# Altium PCB Test.PcbDoc (part 6 of 7)
Units mm, origin at the board's own origin, x right, y up, seen from the top; angles counter-clockwise.
Board outline 127 x 60.96 mm, 8 copper layers (TOP, LY2 - GND, LY3 - SIG, LY4 - GND, LY5 - SIG, LY6 - SIG, LY7 - GND, BOTTOM), stack 1.458 mm thick; 279 components, 237 nets, 1232 pads, 1515 vias.
Unrouted connection lines stored in the file: 100.
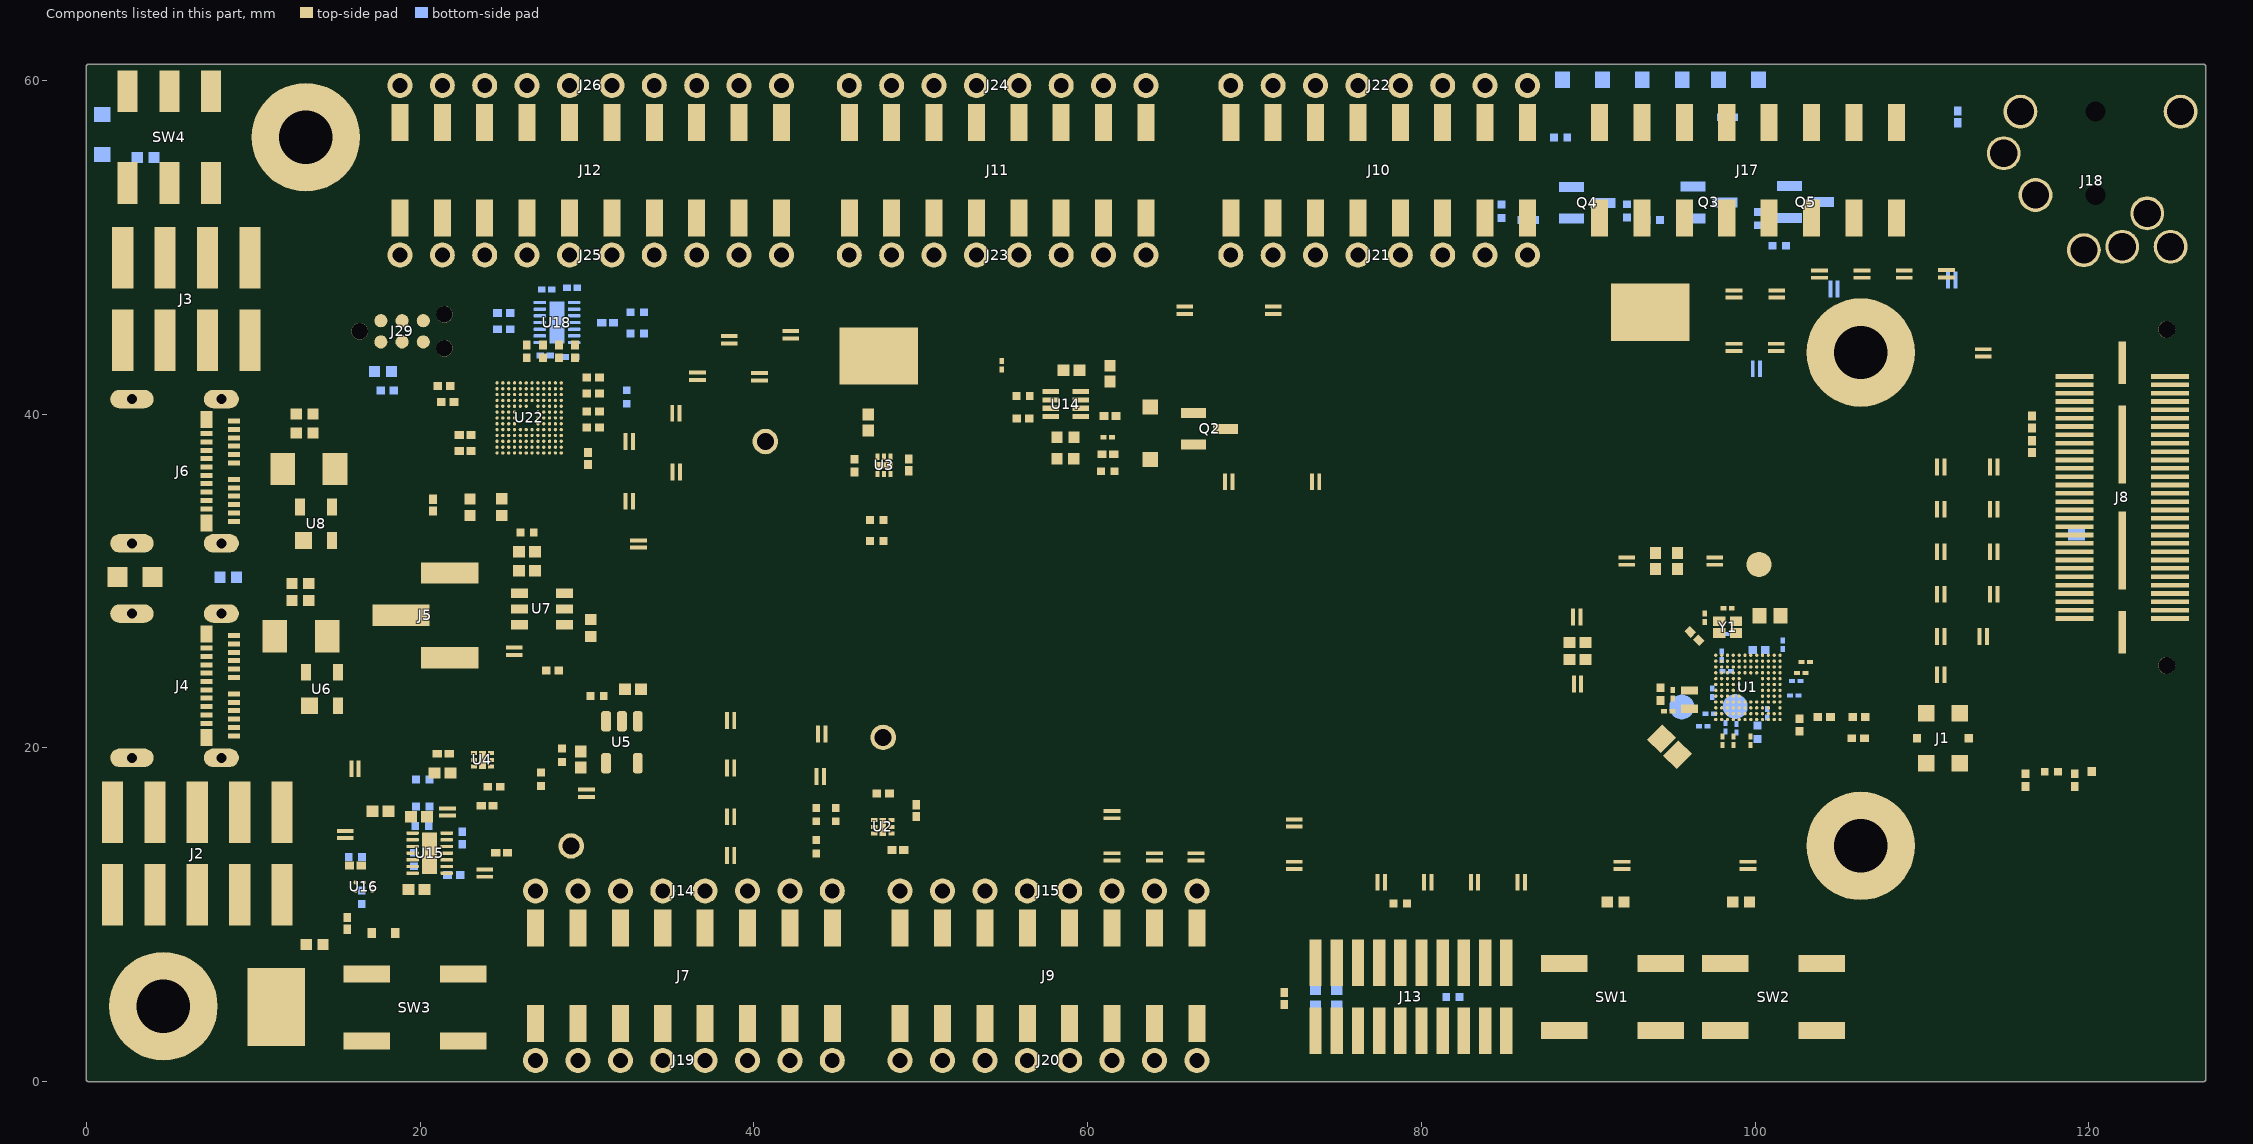
[diagram p12: the components of this part, seen from the top]

## Other copper
TOP:
  pour cut-out: 117.713,18.931 117.795,18.931 117.795,18.204 117.713,18.204
  pour cut-out: 104.095,22.156 104.185,22.156 104.185,21.532 104.095,21.532
  pour cut-out: 48.895,14.605 48.895,14.833 48.638,15.09 48.038,15.09 47.984,15.143 47.987,15.146 47.987,15.407 48.056,15.475 48.861,15.475 49.35,14.986 51.054,14.986 51.181,14.859 51.181,14.605 49.941,13.365 48.848,13.365 48.613,13.601 48.613,14.323
  pour cut-out: 361 vertices and 0 holes, not listed, extent 91.549,30.111 98.342,33.993
LY2 - GND:
  pour cut-out: 3752 vertices and 0 holes, not listed, extent 92.268,18.382 105.139,29.167
  pour cut-out: 99.775,26.924 99.761,26.994 99.722,27.053 99.663,27.092 99.593,27.106 99.524,27.092 99.504,27.079 99.465,27.053 99.425,26.994 99.412,26.924 99.425,26.854 99.465,26.795 99.504,26.769 99.524,26.756 99.593,26.742 99.663,26.756 99.722,26.795 99.761,26.854 99.775,26.924
LY3 - SIG:
  pour cut-out: 786 vertices and 0 holes, not listed, extent 92.867,32.809 110.727,56.198
  pour cut-out: 101.92,53.776 101.913,53.77 101.906,53.765 101.899,53.76 101.891,53.756 101.883,53.752 101.874,53.75 101.866,53.748 101.857,53.747 101.848,53.746 101.839,53.747 101.83,53.748 101.822,53.75 101.813,53.752 101.805,53.756 101.797,53.76 101.79,53.765 101.783,53.77 101.776,53.776 101.77,53.782 101.765,53.789 101.76,53.797 101.756,53.805 101.752,53.813 101.75,53.821 101.748,53.83 101.747,53.839 101.746,53.848 101.746,53.929 103.288,55.471 103.314,55.466 103.346,55.462 103.364,55.461 103.372,55.46 103.381,55.458 103.39,55.456 103.398,55.453 103.406,55.449 103.414,55.445 103.421,55.44 103.428,55.434 103.434,55.428 103.44,55.421 103.445,55.414 103.449,55.406 103.453,55.398 103.456,55.39 103.459,55.381 103.46,55.373 103.461,55.364 103.461,55.355 103.46,55.346 103.459,55.337 103.456,55.329 103.453,55.321 103.45,55.312 103.445,55.305 103.44,55.297 103.435,55.291 103.431,55.287 101.92,53.776
LY4 - GND:
  pour cut-out: 2889 vertices and 0 holes, not listed, extent 94.48,18.382 105.291,29.37
LY5 - SIG:
  region net GND: 15.504,34.262 15.464,34.359 15.367,34.4 15.303,34.373 15.27,34.359 15.23,34.262 15.27,34.165 15.303,34.151 15.367,34.125 15.464,34.165 15.504,34.262
  region net GND: 107.738,27.357 107.698,27.454 107.601,27.495 107.537,27.468 107.504,27.454 107.463,27.357 107.504,27.26 107.537,27.246 107.601,27.22 107.698,27.26 107.738,27.357
  region net GND: 105.988,24.135 105.948,24.232 105.851,24.273 105.787,24.246 105.753,24.232 105.713,24.135 105.753,24.038 105.787,24.024 105.851,23.998 105.948,24.038 105.988,24.135
  region net GND: 16.519,24.381 16.479,24.479 16.382,24.519 16.318,24.492 16.285,24.479 16.244,24.381 16.285,24.284 16.318,24.271 16.382,24.244 16.479,24.284 16.519,24.381
  region net GND: 15.583,32.577 15.543,32.674 15.446,32.714 15.382,32.688 15.349,32.674 15.308,32.577 15.349,32.48 15.382,32.466 15.446,32.439 15.543,32.48 15.583,32.577
  region net GND: 16.442,22.78 16.401,22.877 16.304,22.917 16.24,22.891 16.207,22.877 16.167,22.78 16.207,22.683 16.24,22.669 16.304,22.643 16.401,22.683 16.442,22.78
  region net GND: 107.803,30.283 107.763,30.38 107.666,30.421 107.601,30.394 107.568,30.38 107.528,30.283 107.568,30.186 107.601,30.172 107.666,30.146 107.763,30.186 107.803,30.283
  region net GND: 116.066,37.207 116.025,37.304 115.928,37.345 115.864,37.318 115.831,37.304 115.791,37.207 115.831,37.11 115.864,37.096 115.928,37.07 116.025,37.11 116.066,37.207
  region net GND: 106.778,25.571 106.738,25.669 106.641,25.709 106.577,25.682 106.543,25.669 106.503,25.571 106.543,25.474 106.577,25.461 106.641,25.434 106.738,25.474 106.778,25.571
  region net GND: 116.058,38.95 116.018,39.047 115.921,39.087 115.856,39.061 115.823,39.047 115.783,38.95 115.823,38.852 115.856,38.839 115.921,38.812 116.018,38.852 116.058,38.95
BOTTOM:
  pour cut-out: 87.372,49.53 87.338,49.792 87.237,50.036 87.076,50.246 86.866,50.407 86.622,50.508 86.36,50.542 86.098,50.508 85.854,50.407 85.644,50.246 85.483,50.036 85.382,49.792 85.348,49.53 85.382,49.268 85.483,49.024 85.644,48.814 85.854,48.653 86.098,48.552 86.36,48.518 86.622,48.552 86.866,48.653 87.076,48.814 87.237,49.024 87.338,49.268 87.372,49.53
  pour cut-out: 84.832,49.53 84.798,49.792 84.697,50.036 84.536,50.246 84.326,50.407 84.082,50.508 83.82,50.542 83.558,50.508 83.314,50.407 83.104,50.246 82.943,50.036 82.842,49.792 82.808,49.53 82.842,49.268 82.943,49.024 83.104,48.814 83.314,48.653 83.558,48.552 83.82,48.518 84.082,48.552 84.326,48.653 84.536,48.814 84.697,49.024 84.798,49.268 84.832,49.53

## Silkscreen, mask and mechanical layers (free items; w line width, h text height)
Top Overlay:
  drawing of 94 lines, arcs and shapes, not listed
Bottom Overlay:
  circle w0.152: c66.548,9.251 r0.74
  circle w0.152: c64.008,9.251 r0.74
  circle w0.152: c61.468,9.251 r0.74
  circle w0.152: c58.928,9.251 r0.74
  circle w0.152: c56.388,9.251 r0.74
  circle w0.152: c53.848,9.251 r0.74
  circle w0.152: c51.308,9.251 r0.74
  circle w0.152: c48.768,9.251 r0.74
  circle w0.152: c63.539,57.449 r0.74
  circle w0.152: c45.759,57.449 r0.74
  circle w0.152: c48.299,57.449 r0.74
  circle w0.152: c26.404,57.373 r0.74
  circle w0.152: c41.644,57.373 r0.74
  circle w0.152: c21.349,57.297 r0.74
  circle w0.152: c71.165,57.511 r0.74
  circle w0.152: c48.768,3.429 r0.74
  circle w0.152: c51.308,3.429 r0.74
  circle w0.152: c53.848,3.429 r0.74
  circle w0.152: c56.388,3.429 r0.74
  circle w0.152: c58.928,3.429 r0.74
  circle w0.152: c61.468,3.429 r0.74
  circle w0.152: c64.008,3.429 r0.74
  circle w0.152: c66.548,3.429 r0.74
  lines w0.102: 26.924,2.286 26.924,3.048 ; 26.924,9.906 26.924,10.414 ; 29.464,2.286 29.464,3.175 ; 29.464,9.398 29.464,10.414 ; 34.544,2.286 34.544,3.302 ; 34.544,9.398 34.544,10.414 ; 37.084,2.286 37.084,3.683 ; 37.084,9.017 37.084,10.414 ; 39.624,2.286 39.624,4.699 ; 39.624,8.001 39.624,10.414 ; 42.164,2.286 42.164,4.699 ; 44.704,2.286 44.704,2.921
  lines w0.127: 96.393,23.216 96.925,22.51 ; 96.393,25.146 97.409,24.638 ; 96.461,23.962 96.809,23.644 ; 96.616,25.971 97.282,25.781
  lines w0.152: 93.992,21.637 94.844,21.793 ; 99.593,23.165 102.905,25.422 ; 28.204,57.373 cw(c28.944,57.373) 28.944,58.113 cw(c28.944,57.373) 29.684,57.373 cw(c28.944,57.373) 28.944,56.632 cw(c28.944,57.373) 28.204,57.373 ; 30.744,57.373 cw(c31.484,57.373) 31.484,58.113 cw(c31.484,57.373) 32.224,57.373 cw(c31.484,57.373) 31.484,56.632 cw(c31.484,57.373) 30.744,57.373 ; 33.284,57.373 cw(c34.024,57.373) 34.024,58.113 cw(c34.024,57.373) 34.764,57.373 cw(c34.024,57.373) 34.024,56.632 cw(c34.024,57.373) 33.284,57.373 ; 35.824,57.373 cw(c36.564,57.373) 36.564,58.113 cw(c36.564,57.373) 37.304,57.373 cw(c36.564,57.373) 36.564,56.632 cw(c36.564,57.373) 35.824,57.373 ; 38.364,57.373 cw(c39.104,57.373) 39.104,58.113 cw(c39.104,57.373) 39.844,57.373 cw(c39.104,57.373) 39.104,56.632 cw(c39.104,57.373) 38.364,57.373 ; 41.468,9.251 ccw(c42.209,9.251) 42.209,8.511 ccw(c42.209,9.251) 42.949,9.251 ccw(c42.209,9.251) 42.209,9.992 ccw(c42.209,9.251) 41.468,9.251 ; 44.008,9.251 ccw(c44.749,9.251) 44.749,8.511 ccw(c44.749,9.251) 45.489,9.251 ccw(c44.749,9.251) 44.749,9.992 ccw(c44.749,9.251) 44.008,9.251 ; 50.098,57.449 ccw(c50.839,57.449) 50.839,56.709 ccw(c50.839,57.449) 51.579,57.449 ccw(c50.839,57.449) 50.839,58.189 ccw(c50.839,57.449) 50.098,57.449 ; 55.178,57.449 ccw(c55.919,57.449) 55.919,56.709 ccw(c55.919,57.449) 56.659,57.449 ccw(c55.919,57.449) 55.919,58.189 ccw(c55.919,57.449) 55.178,57.449 ; 57.718,57.449 ccw(c58.459,57.449) 58.459,56.709 ccw(c58.459,57.449) 59.199,57.449 ccw(c58.459,57.449) 58.459,58.189 ccw(c58.459,57.449) 57.718,57.449 ; 60.258,57.449 ccw(c60.999,57.449) 60.999,56.709 ccw(c60.999,57.449) 61.739,57.449 ccw(c60.999,57.449) 60.999,58.189 ccw(c60.999,57.449) 60.258,57.449 ; 67.884,57.511 ccw(c68.625,57.511) 68.625,56.771 ccw(c68.625,57.511) 69.365,57.511 ccw(c68.625,57.511) 68.625,58.252 ccw(c68.625,57.511) 67.884,57.511 ; 72.964,57.511 ccw(c73.705,57.511) 73.705,56.771 ccw(c73.705,57.511) 74.445,57.511 ccw(c73.705,57.511) 73.705,58.252 ccw(c73.705,57.511) 72.964,57.511 ; 75.504,57.511 ccw(c76.245,57.511) 76.245,56.771 ccw(c76.245,57.511) 76.985,57.511 ccw(c76.245,57.511) 76.245,58.252 ccw(c76.245,57.511) 75.504,57.511 ; 78.044,57.511 cw(c78.785,57.511) 78.785,58.252 cw(c78.785,57.511) 79.525,57.511 cw(c78.785,57.511) 78.785,56.771 cw(c78.785,57.511) 78.044,57.511 ; 80.584,57.511 ccw(c81.325,57.511) 81.325,56.771 ccw(c81.325,57.511) 82.065,57.511 ccw(c81.325,57.511) 81.325,58.252 ccw(c81.325,57.511) 80.584,57.511 ; 83.124,57.511 ccw(c83.865,57.511) 83.865,56.771 ccw(c83.865,57.511) 84.605,57.511 ccw(c83.865,57.511) 83.865,58.252 ccw(c83.865,57.511) 83.124,57.511 ; 85.664,57.511 cw(c86.405,57.511) 86.405,58.252 cw(c86.405,57.511) 87.145,57.511 cw(c86.405,57.511) 86.405,56.771 cw(c86.405,57.511) 85.664,57.511
Top Assembly:
  lines w0.025: -42.469,-12.598 -39.319,-12.598 ; -42.469,28.854 -39.319,28.854 ; -42.469,70.307 -39.319,70.307 ; 0.508,-57.175 0.508,-54.026 ; 0.508,111.735 0.508,114.91 ; 33.655,-57.175 33.655,-54.026 ; 33.655,111.735 33.655,114.91 ; 67.615,-57.175 67.615,-54.026 ; 67.615,111.735 67.615,114.91 ; 100.762,-57.175 100.762,-54.026 ; 100.762,111.735 100.762,114.91 ; 134.696,-57.175 134.696,-54.026 ; 134.696,111.531 134.696,114.706 ; 175.184,-12.598 178.359,-12.598 ; 175.184,28.854 178.359,28.854 ; 175.184,70.307 178.359,70.307 ; -39.192,-53.924 175.184,-53.924 175.184,111.735 -39.192,111.735 -39.192,-53.924
  lines w0.076: 108.407,-54.026 108.407,-34.29
  lines w0.102: 19.524,14.454 20.308,15.239
  lines w0.152: 61.036,-52.045 80.772,-52.045 ; 61.036,-50.089 80.772,-50.089 ; 61.036,-48.108 80.772,-48.108 ; 61.036,-46.126 80.772,-46.126 ; 61.036,-44.171 80.772,-44.171 ; 61.036,-42.189 80.772,-42.189 ; 61.036,-40.208 80.772,-40.208 ; 61.036,-38.252 80.772,-38.252 ; 61.036,-36.271 80.772,-36.271 ; 61.036,-34.29 80.772,-34.29 ; 61.138,-34.29 61.138,-54.026 62.713,-54.026 ; 70.206,-52.045 70.206,-34.29 ; 80.772,-54.026 80.772,-34.29 ; 80.772,-37.059 108.407,-37.059 129.718,-37.059 ; 108.407,-51.257 122.631,-51.257 129.718,-51.257 ; 108.407,-48.514 122.631,-48.514 129.718,-48.514 ; 108.407,-45.339 122.631,-45.339 129.718,-45.339 ; 108.407,-42.596 122.631,-42.596 129.718,-42.596 ; 108.407,-39.827 129.718,-39.827 ; 126.238,107.798 175.184,107.798 ; 126.238,111.735 126.238,109.779 ; 129.413,105.816 129.413,109.779 ; 129.718,-54.026 129.718,-34.29 ; 129.794,-52.045 175.184,-52.045 ; 129.794,-48.514 175.184,-48.514 ; 129.794,-39.827 175.184,-39.827 ; 132.969,-52.045 132.969,-48.514 ; 137.693,-54.026 137.693,-52.045 ; 160.985,-54.026 160.985,-52.045 ; 160.985,105.816 160.985,109.779 ; 167.31,105.816 167.31,109.779 ; 171.247,-52.045 171.247,-48.514 ; 175.184,-34.29 80.772,-34.29 ; 175.184,105.816 126.238,105.816 126.238,109.779 ; 175.184,109.779 126.238,109.779
  lines w0.406: -43.256,-50.876 -43.256,-57.988 -36.144,-57.988 ; -43.256,108.585 -43.256,115.697 -36.144,115.697 ; 171.933,-58.293 179.045,-58.293 179.045,-51.181 ; 172.034,115.697 179.146,115.697 179.146,108.585
  lines w0.432: -39.192,-53.924 175.184,-53.924 175.184,111.735 -39.192,111.735 -39.192,-53.924
Bottom Assembly:
  lines w0.025: -42.367,-12.598 -39.192,-12.598 ; -42.367,28.854 -39.192,28.854 ; -42.367,70.307 -39.192,70.307 ; 1.295,-57.175 1.295,-54.026 ; 1.295,111.531 1.295,114.706 ; 35.23,-57.175 35.23,-54.026 ; 35.23,111.735 35.23,114.91 ; 68.377,-57.175 68.377,-54.026 ; 68.377,111.735 68.377,114.91 ; 102.337,-57.175 102.337,-54.026 ; 102.337,111.735 102.337,114.91 ; 135.484,-57.175 135.484,-54.026 ; 135.484,111.735 135.484,114.91 ; 175.311,-12.598 178.46,-12.598 ; 175.311,28.854 178.46,28.854 ; 175.311,70.307 178.46,70.307 ; -39.192,-53.924 -39.192,111.735 175.184,111.735 175.184,-53.924 -39.192,-53.924
  lines w0.102: 28.676,47.035 28.724,47.035 29.247,46.512 ; 96.162,21.775 96.713,22.001
  lines w0.152: -39.192,-52.045 6.198,-52.045 ; -39.192,-48.514 6.198,-48.514 ; -39.192,-39.827 6.198,-39.827 ; -39.192,-34.29 6.274,-34.29 6.274,-54.026 ; -35.255,-52.045 -35.255,-48.514 ; -24.994,-54.026 -24.994,-52.045 ; -1.702,-54.026 -1.702,-52.045 ; 3.023,-52.045 3.023,-48.514 ; 73.279,-54.026 74.854,-54.026
  lines w0.406: -43.155,108.585 -43.155,115.697 -36.043,115.697 ; -43.053,-51.181 -43.053,-58.293 -35.941,-58.293 ; 172.136,-57.988 179.248,-57.988 179.248,-50.876 ; 172.136,115.697 179.248,115.697 179.248,108.585
  lines w0.432: -39.192,-53.924 -39.192,111.735 175.184,111.735 175.184,-53.924 -39.192,-53.924
Board Shape:
  the board outline again, w0.025
Fab Notes:
  drawing of 11263 lines, arcs and shapes, not listed
  text "1.69" at -5726.862,4394.149 h1.5 r90
  text "40.210.05" at -5729.613,4370.746 h1.5 r90
  text "43.600.1" at -5724.562,4365.592 h1.5 r90
  text "1.69" at -5748.166,4361.768 h1.5 r90
  text "1.69" at -5720.611,4198.501 h1.5 r90
  text "40.210.05" at -5723.362,4175.098 h1.5 r90
  text "43.600.1" at -5718.311,4169.944 h1.5 r90
  text "1.69" at -5741.915,4166.12 h1.5 r90
  text "43.600.05 OD" at -5179.64,3809.555 h2 r90
  text "40.210.15 VA" at -5173.343,3803.361 h2 r90
  text "1.69" at -5010.367,3666.416 h2 r90
  text "1.69" at -4997.704,3600.313 h2 r90
  text "42.490.1(Outline)" at -4845.043,3517.842 h2.1 r90
  text "41.990.1(Encape)" at -4839.475,3513.234 h2.1 r90
  text "4-R8.5" at -4573.65,959.934 h2.1 r31.45
  text "4-R8.8" at 248.97,742.301 h2.1 r45.31
  text "9.10" at -4701.004,711.738 h2.5 r90
  text "TEST-L1" at -4794.821,620.361 h0.06 r90
  text "TEST-L2" at -4795.021,620.161 h0.06 r90
  text "GND" at -4795.221,619.961 h0.06 r90
  text "GND" at -4795.421,619.761 h0.06 r90
  text "RX9" at -4795.621,619.561 h0.06 r90
  text "RX8" at -4795.821,619.361 h0.06 r90
  text "RX7" at -4796.021,619.161 h0.06 r90
  text "RX6" at -4796.221,618.961 h0.06 r90
  text "RX5" at -4796.421,618.761 h0.06 r90
  text "RX4" at -4796.621,618.561 h0.06 r90
  text "RX3" at -4796.821,618.361 h0.06 r90
  text "RX2" at -4797.021,618.161 h0.06 r90
  text "RX1" at -4797.221,617.961 h0.06 r90
  text "GND" at -4797.421,617.761 h0.06 r90
  text "TX7" at -4797.621,617.561 h0.06 r90
  text "TX6" at -4797.821,617.361 h0.06 r90
  text "TX5" at -4798.021,617.161 h0.06 r90
  text "TX4" at -4798.221,616.961 h0.06 r90
  text "TX3" at -4798.421,616.761 h0.06 r90
  text "TX2" at -4798.621,616.561 h0.06 r90
  text "TX1" at -4798.821,616.361 h0.06 r90
  text "GND" at -4799.021,616.161 h0.06 r90
  text "GND" at -4799.221,615.961 h0.06 r90
  text "TEST-L2" at -4799.421,615.761 h0.06 r90
  text "TEST-L1" at -4799.612,615.57 h0.06 r90
  text "39.90.3" at -4826.714,586.429 h2.1 r90
  text "39.89(AA)" at -4826.884,586.259 h2.1 r90
  text "6" at -1202.49,167.309 h5.75
  text "5" at -1202.49,167.309 h5.75
  text "4" at -1202.49,167.309 h5.75
  text "3" at -1202.49,167.309 h5.75
  text "2" at -1202.49,167.309 h5.75
  text "1" at -1202.49,167.309 h5.75
  text "6" at -1202.49,167.309 h5.75
  text "5" at -1202.49,167.309 h5.75
  text "4" at -1202.49,167.309 h5.75
  text "3" at -1202.49,167.309 h5.75
  text "2" at -1202.49,167.309 h5.75
  text "1" at -1202.49,167.309 h5.75
  text "A" at -1202.49,119.266 h5.75
  text "A" at -1202.49,119.266 h5.75
  text "A" at -1202.49,119.266 h5.75
  text "A" at -1202.49,119.266 h5.75
  text "T" at 863.339,71.796 h8.87
  text "=" at 867.913,71.796 h8.87
  text "0" at 872.487,71.796 h8.87
  text "." at 877.061,71.796 h8.87
  text "2" at 881.635,71.796 h8.87
  text "±" at 886.209,71.796 h8.87
  text "0" at 895.358,71.796 h8.87
  text "." at 899.932,71.796 h8.87
  text "3" at 904.506,71.796 h8.87
  text "F" at 863.37,61.139 h8.87
  text "P" at 867.944,61.139 h8.87
  text "C" at 872.518,61.139 h8.87
  text "+" at 877.092,61.139 h8.87
  text "P" at 881.666,61.139 h8.87
  text "I" at 886.24,61.139 h8.87
  text "B" at -1202.49,14.266 h5.75
  text "B" at -1202.49,14.266 h5.75
  text "B" at -1202.49,14.266 h5.75
  text "B" at -1202.49,14.266 h5.75
  text "B" at -1202.49,-21.557 h4.25
  text "H" at -1202.49,-21.772 h4.25
  text "I" at -1202.49,-21.772 h4.25
  text "A" at -1202.49,-21.868 h4.25
  text "C" at -1202.49,-21.926 h4.25
  text "F" at -1202.49,-21.936 h4.25
  text "E" at -1202.49,-21.933 h4.25
  text "G" at -1202.49,-22.029 h4.25
  text "D" at -1202.49,-22.021 h4.25
  text "6" at -1202.49,-22.088 h5.75
  text "5" at -1202.49,-22.088 h5.75
  text "4" at -1202.49,-22.088 h5.75
  text "3" at -1202.49,-22.088 h5.75
  text "2" at -1202.49,-22.088 h5.75
  text "1" at -1202.49,-22.088 h5.75
  text "6" at -1202.49,-22.088 h5.75
  text "5" at -1202.49,-22.088 h5.75
  text "4" at -1202.49,-22.088 h5.75
  text "3" at -1202.49,-22.088 h5.75
  text "2" at -1202.49,-22.088 h5.75
  text "1" at -1202.49,-22.088 h5.75
  text "Name" at -1202.49,-27.843 h2.62
  text "History" at -1202.49,-28.627 h2.62
  text "Ver" at -1202.49,-28.647 h2.42
  text "Date" at -1202.49,-28.647 h2.42
  text "1" at -1202.49,-33.455 h5.17
  text "FPC-插接加长0.6，绿油到绑定位加长0.3mm" at -1202.49,-33.763 h2.1
  text "xrl" at -1202.49,-33.893 h2.62
  text "1" at -1202.49,-34.448 h5.17
  text "2024-8-28" at -1202.49,-34.717 h2.42
  text "A1" at -1202.49,-34.744 h2.42
  text "側面}" at -1202.49,-50.258 h8.27
  text "正面}" at -1202.49,-50.258 h8.27
  text "反面}" at -1202.49,-50.664 h8.27
  text "LENS图}" at -1202.49,-54.947 h20
  text "2" at -1202.49,-63.68 h5.17
  text "2" at -1202.49,-63.68 h5.17
  text "弯折图" at -1202.49,-67.808 h7.66
  text "A" at -1202.49,-70.132 h5.75
  text "A" at -1202.49,-70.132 h5.75
  text "A" at -1202.49,-70.132 h5.75
  text "A" at -1202.49,-70.132 h5.75
  text "0.6 MAX" at 782.663,-77.406 h2.1 r90
  text "1" at -1202.49,-85.118 h1.6
  text "35.830.1(Outline)" at -1202.49,-85.206 h2.1
  text "GND" at -1202.49,-86.851 h1.6
  text "B" at -1202.49,-87.101 h3.15
  text "H" at -1202.49,-87.261 h3.15
  text "I" at -1202.49,-87.261 h3.15
  text "A" at -1202.49,-87.332 h3.15
  text "F" at -1202.49,-87.383 h3.15
  text "E" at -1202.49,-87.38 h3.15
  text "C" at -1202.49,-87.375 h3.15
  text "G" at -1202.49,-87.451 h3.15
  text "D" at -1202.49,-87.445 h3.15
  text "2" at -1202.49,-88.307 h1.6
  text "34.07(AA)" at -1202.49,-89.317 h2.1
  text "TP-VDD3.3V" at -1202.49,-90.04 h1.6
  text "C" at -1202.49,-90.734 h5.75
  text "C" at -1202.49,-90.734 h5.75
  text "C" at -1202.49,-90.734 h5.75
  text "C" at -1202.49,-90.734 h5.75
  text "3" at -1202.49,-91.496 h1.6
  text "Name" at -1202.49,-91.758 h1.94
  text "History" at -1202.49,-92.338 h1.94
  text "Ver" at -1202.49,-92.354 h1.79
  text "Date" at -1202.49,-92.354 h1.79
  text "撕手位}" at -1202.49,-92.423 h1.5
  text "6}" at -1202.49,-93.068 h0.8
  text "6}" at -1202.49,-93.155 h0.8
  text "TP-INT" at -1202.49,-93.228 h1.6
  text "正视图}" at -1202.49,-93.675 h6
  text "侧视图}" at -1202.49,-94.219 h6
  text "4" at -1202.49,-94.684 h1.6
  text "背视图}" at -1202.49,-95.162 h6
  text "1" at -1202.49,-95.915 h3.83
  text "TP-SDA" at -1202.49,-96.417 h1.6
  text "1" at -1202.49,-96.65 h3.83
  text "1}" at -1202.49,-97.508 h0.8
  text "双面胶T=0.05mm}" at -1202.49,-97.575 h1.5
  text "1}" at -1202.49,-97.693 h0.8
  text "5" at -1202.49,-97.873 h1.6
  text "钢片}" at -1202.49,-97.941 h1.5
  text "TP-SCL" at -1202.49,-99.606 h1.6
  text "3" at -1202.49,-100.813 h5.17
  text "3" at -1202.49,-100.813 h5.17
  text "6" at -1202.49,-101.062 h1.6
  text "钢片接地T=0.1}" at -1202.49,-102.491 h1.5
  text "TP-RESET" at -1202.49,-102.794 h1.6
  text "绿油}" at -1202.49,-103.307 h1
  text "側面}" at -1202.49,-104.186 h8.75
  text "正面}" at -1202.49,-104.186 h8.75
  text "7" at -1202.49,-104.25 h1.6
  text "反面}" at -1202.49,-104.616 h8.75
  text "GND" at -1202.49,-105.983 h1.6
  text "8" at -1202.49,-107.439 h1.6
  text "RESET" at -1202.49,-109.171 h1.6
  text "9" at -1202.49,-110.628 h1.6
  text "FPC+PI补强T=0.2mm}" at -1202.49,-111.369 h1.5
  text "元器件}" at -1202.49,-111.47 h1
  text "CS" at -1202.49,-112.36 h1.6
  text "1}" at -1202.49,-113.444 h0.5
  text "21}" at -1202.49,-113.45 h0.5
  text "10" at -1202.49,-113.816 h1.6
  text "TE" at -1202.49,-115.549 h1.6
  text "白色丝印对位线}" at -1202.49,-115.693 h1.5
  text "11" at -1202.49,-117.005 h1.6
  text "2" at -1202.49,-118.304 h3.83
  text "2" at -1202.49,-118.304 h3.83
  text "QSPI_SI00" at -1202.49,-118.737 h1.6
  text "12" at -1202.49,-120.194 h1.6
  text "2.07\"}" at -1202.49,-121.211 h2.5
  text "QSPI_SI01" at -1202.49,-121.926 h1.6
  text "1.80" at -1202.49,-122.978 h1.5
  text "37.390.1" at -1202.49,-122.978 h1.5
  text "13" at -1202.49,-124.977 h1.6
  text "QSPI_SI02" at -1202.49,-125.115 h1.6
  text "0.6 MAX" at 727.215,-125.692 h2.1 r90
  text "8.40.5" at -1202.49,-126.26 h2.1
  text "410*480}" at -1202.49,-126.491 h2.5
  text "14" at -1202.49,-128.165 h1.6
  text "QSPI_SI03" at -1202.49,-128.303 h1.6
  text "0.45" at -1202.49,-128.592 h1.5
  text "34.390.05" at -1202.49,-128.592 h1.5
  text "15" at -1202.49,-131.354 h1.6
  text "QSPI_LSCK" at -1202.49,-131.492 h1.6
  text "FPC+PI补强T=0.2mm}" at -1202.49,-131.593 h1.5
  text "10" at -1202.49,-132.62 h1.57
  text "9" at -1202.49,-132.62 h1.57
  text "8" at -1202.49,-132.62 h1.57
  text "7" at -1202.49,-132.62 h1.57
  text "6" at -1202.49,-132.62 h1.57
  text "5" at -1202.49,-132.62 h1.57
  text "4" at -1202.49,-132.62 h1.57
  text "3" at -1202.49,-132.62 h1.57
  text "2" at -1202.49,-132.62 h1.57
  text "1" at -1202.49,-132.62 h1.57
  text "6.60" at -1202.49,-132.855 h0.8
  text "16" at -1202.49,-134.542 h1.6
  text "1.80±0.05 LENS" at -1202.49,-134.593 h2
  text "VDD3.3V" at -1202.49,-134.681 h1.6
  text "Date}" at -1202.49,-135.44 h1.46
  text "Description}" at -1202.49,-135.596 h1.46
  text "REV}" at -1202.49,-135.604 h1.46
  text "37.390.05 OD" at -1202.49,-135.843 h2
  text "有害物质管理标准}" at -1202.49,-135.894 h1.56
  text "1}" at -1202.49,-136.804 h0.5
  text "17" at -1202.49,-137.731 h1.6
  text "VIO3.3V" at -1202.49,-137.869 h1.6
  text "21}" at -1202.49,-138.689 h0.5
  text "1}" at -1202.49,-138.684 h0.5
  text "21}" at -1202.49,-138.689 h0.5
  text "1}" at -1202.49,-138.684 h0.5
  text "6}" at -1202.49,-139.285 h0.5
  text "（双面胶+钢片+FPC+连接器）" at -1202.49,-139.445 h1.2
  text "欧盟RoHS环保指令}" at -1202.49,-139.74 h1.17
  text "4" at -1202.49,-140.161 h5.17
  text "4" at -1202.49,-140.161 h5.17
  text "0.45±0.05" at -1202.49,-140.207 h2
  text "限高1.2max}" at -1202.49,-140.657 h1.2
  text "18" at -1202.49,-140.92 h1.6
  text "白色丝印对位线}" at -1202.49,-140.933 h1.5
  text "VCI_EN" at -1202.49,-141.058 h1.6
  text "34.390.15 VA" at -1202.49,-141.457 h2
  text "欧盟RoHS环保指令+无卤素要求}" at -1202.49,-142.627 h1.17
  text "丝印字符}" at -1202.49,-144.04 h2.5
  text "19" at -1202.49,-144.108 h1.6
  text "NC" at -1202.49,-144.247 h1.6
  text "A}" at -1202.49,-144.632 h1.57
  text "A}" at -1202.49,-144.632 h1.57
  text "480}" at -1202.49,-145.171 h1.5
  text "___________有害物质管理标准  第____版}" at -1202.49,-145.731 h1.17
  text "3" at -1202.49,-145.809 h3.83
  text "3" at -1202.49,-145.809 h3.83
  text "323" at -1202.49,-147.095 h0.1
  text "1" at -1202.49,-147.095 h0.1
  text "20" at -1202.49,-147.297 h1.6
  text "VBAT" at -1202.49,-147.435 h1.6
  text "5013B01-A0}" at -1202.49,-148.455 h0.6
  text "21" at -1202.49,-150.486 h1.6
  text "GND" at -1202.49,-150.624 h1.6
  text "1" at -1202.49,-152.272 h1.6
  text "GND" at -1202.49,-154.004 h1.6
  text "2" at -1202.49,-155.46 h1.6
  text "1.50" at -1202.49,-156.304 h1.5
  text "TP-VDD3.3V" at -1202.49,-157.193 h1.6
  text "3" at -1202.49,-158.649 h1.6
  text "TP-INT" at -1202.49,-160.382 h1.6
  text "4" at -1202.49,-161.838 h1.6
  text "双面胶T=0.05mm}" at -1202.49,-162.766 h2
  text "B}" at -1202.49,-163.518 h1.57
  text "B}" at -1202.49,-163.518 h1.57
  text "TP-SDA" at -1202.49,-163.57 h1.6
  text "（双面胶+钢片+FPC+连接器）" at -1202.49,-164.685 h1.2
  text "5" at -1202.49,-165.026 h1.6
  text "1.50" at -1202.49,-165.246 h2
  text "35.430.15(Foam)" at -1202.49,-165.562 h1
  text "限高1.2max}" at -1202.49,-165.897 h1.2
  text "钢片接地T=0.1}" at -1202.49,-166.123 h2
  text "0.130.05" at -1202.49,-166.278 h1.8
  text "TP-SCL" at -1202.49,-166.759 h1.6
  text "6" at -1202.49,-168.215 h1.6
  text "TP-RESET" at -1202.49,-169.947 h1.6
  text "1.50" at -1202.49,-170.125 h2
  text "7" at -1202.49,-171.404 h1.6
  text "离型撕手柄" at -1202.49,-172.49 h1.5
  text "GND" at -1202.49,-173.136 h1.6
  text "8" at -1202.49,-174.592 h1.6
  text "4" at -1202.49,-174.957 h3.83
  text "4" at -1202.49,-174.957 h3.83
  text "B" at -1202.49,-175.132 h5.75
  text "B" at -1202.49,-175.132 h5.75
  text "B" at -1202.49,-175.132 h5.75
  text "B" at -1202.49,-175.132 h5.75
  text "RESET" at -1202.49,-176.325 h1.6
  text "5" at -1202.49,-177.294 h5.17
  text "5" at -1202.49,-177.294 h5.17
  text "9" at -1202.49,-177.781 h1.6
  text "CS" at -1202.49,-179.513 h1.6
  text "泡棉}" at -1202.49,-179.756 h2
  text "10" at -1202.49,-180.97 h1.6
  text "35.89±0.00001" at -1202.49,-181.054 h2.1
  text "6" at -1202.49,-181.823 h0.5
  text "C}" at -1202.49,-182.404 h1.57
  text "C}" at -1202.49,-182.404 h1.57
  text "1}" at -1202.49,-182.696 h0.5
  text "21}" at -1202.49,-182.69 h0.5
  text "21}" at -1202.49,-182.69 h0.5
  text "1}" at -1202.49,-182.696 h0.5
  text "TE" at -1202.49,-182.702 h1.6
  text "11" at -1202.49,-184.158 h1.6
  text "1" at -1202.49,-184.854 h0.5
  text "QSPI_SI00" at -1202.49,-185.891 h1.6
  text "12" at -1202.49,-187.347 h1.6
  text "T=0.20.3" at -1202.49,-188.737 h2
  text "\LTP PIN DESCRIPTION}" at -1202.49,-188.949 h2
  text "QSPI_SI01" at -1202.49,-189.079 h1.6
  text "撕手位}" at -1202.49,-189.666 h2
  text "FPC+PI" at -1202.49,-190.757 h2
  text "OK-F401-06125" at -1202.49,-192.097 h2
  text "13" at -1202.49,-192.13 h1.6
  text "QSPI_SI02" at -1202.49,-192.268 h1.6
  text "\LTP PIN DESCRIPTION}" at -1202.49,-193.331 h2
  text "厚度1.00MAX" at -1203.156,-194.117 h2
  text "14" at -1202.49,-195.319 h1.6
  text "QSPI_SI03" at -1202.49,-195.457 h1.6
  text "TP" at -1202.49,-195.688 h2.62
  text "D" at -1202.49,-195.734 h5.75
  text "D" at -1202.49,-195.734 h5.75
  text "D" at -1202.49,-195.734 h5.75
  text "D" at -1202.49,-195.734 h5.75
  text "SYMBOL" at -1202.49,-195.942 h2.62
  text "TP_VDD" at -1202.49,-197.401 h2.02
  text "15" at -1202.49,-198.507 h1.6
  text "QSPI_LSCK" at -1202.49,-198.645 h1.6
  text "1" at -1202.49,-199.604 h2.62
  text "NOTES:" at -1202.49,-199.606 h4.08
  text "TP" at -1202.49,-200.07 h2.62
  text "SYMBOL" at -1202.49,-200.324 h2.62
  text "TP_RST}" at -1202.49,-200.978 h2.02
  text "D}" at -1202.49,-201.29 h1.57
  text "D}" at -1202.49,-201.29 h1.57
  text "16" at -1202.49,-201.696 h1.6
  text "TP_VDD" at -1202.49,-201.782 h2.02
  text "VDD3.3V" at -1202.49,-201.834 h1.6
  text "5" at -1202.49,-202.462 h3.83
  text "5" at -1202.49,-202.462 h3.83
  text "2" at -1202.49,-203.293 h2.62
  text "1. DRIVING IC\C1;:\fFangSong|b0|i0|c134|p49;CH13613-SSS26,\fSimSun|b0|i0|c134|p2;POWER IC:TRP8715\fFangSong|b0|i0|c134|p49;" at -1202.49,-203.73 h4.08
  text "1" at -1202.49,-203.986 h2.62
  text "TP_SCL}" at -1202.49,-204.794 h2.02
  text "17" at -1202.49,-204.884 h1.6
  text "VIO3.3V" at -1202.49,-205.023 h1.6
  text "TP_RST}" at -1202.49,-205.36 h2.02
  text "6" at -1202.49,-206.786 h5.17
  text "3" at -1202.49,-206.967 h2.62
  text "2" at -1202.49,-207.674 h2.62
  text "\fFangSong|b0|i0|c0|p49;\C256;2.(CHANNEL SELECT:S1-S90,S151-S240)" at -1202.49,-207.853 h4.08
  text "18" at -1202.49,-208.073 h1.6
  text "TP_SDA}" at -1202.49,-208.177 h2.02
  text "VCI_EN" at -1202.49,-208.211 h1.6
  text "6" at -1202.49,-208.899 h5.17
  text "TP_SCL}" at -1202.49,-209.176 h2.02
  text "电镀指纹油" at -1202.49,-210.308 h8.13
  text "4" at -1202.49,-210.641 h2.62
  text "19" at -1202.49,-211.262 h1.6
  text "3" at -1202.49,-211.348 h2.62
  text "NC" at -1202.49,-211.4 h1.6
  text "TP_INT}" at -1202.49,-211.98 h2.02
  text "3.TOUCH IC:\C1; CST820\C256;" at -1202.49,-211.976 h4.08
  text "TP_SDA}" at -1202.49,-212.558 h2.02
  text "5" at -1202.49,-214.315 h2.62
  text "20" at -1202.49,-214.45 h1.6
  text "VBAT" at -1202.49,-214.589 h1.6
  text "4" at -1202.49,-215.023 h2.62
  text "TP_GND" at -1202.49,-215.566 h2.02
  text "4. DISPLAY MODE:LTPS-AMOLED" at -1202.49,-216.099 h4.08
  text "TP_INT}" at -1202.49,-216.362 h2.02
  text "9.10" at -1202.49,-217.437 h2.5
  text "21" at -1202.49,-217.639 h1.6
  text "GND" at -1202.49,-217.777 h1.6
  text "6" at -1202.49,-217.989 h2.62
  text "5" at -1202.49,-218.697 h2.62
  text "3.03" at -1202.49,-219.867 h2.5
  text "TP_GND" at -1202.49,-219.948 h2.02
  text "E}" at -1202.49,-220.176 h1.57
  text "E}" at -1202.49,-220.176 h1.57
  text "E}" at -1202.49,-220.176 h1.57
  text "5. MEANS DIMENSION FOR REFERENCE" at -1202.49,-220.223 h4.08
  text "6" at -1202.49,-222.371 h2.62
  text "带胶面" at -1202.49,-222.968 h2.5
  text "PET面" at -1202.49,-223.394 h2.5
  text "6" at -1202.49,-224.309 h3.83
  text "6. SPECIAL REQUIRE:NO\fFangSong|b0|i0|c134|p49;" at -1202.49,-224.346 h4.08
  text "A" at -1202.49,-225.164 h1.48
  text "B1" at -1202.49,-225.164 h1.48
  text "修    改    内    容" at -1202.49,-225.307 h1.81
  text "修    改    内    容" at -1202.49,-225.307 h1.81
  text "REV 版本" at -1202.49,-225.409 h1.48
  text "标记" at -1202.49,-225.395 h1.81
  text "REV 版本" at -1202.49,-225.409 h1.48
  text "标记" at -1202.49,-225.395 h1.81
  text "修改者" at -1202.49,-225.55 h1.81
  text "修改者" at -1202.49,-225.55 h1.81
  text "修改日期" at -1202.49,-225.627 h1.81
  text "修改日期" at -1202.49,-225.627 h1.81
  text "6" at -1202.49,-225.873 h3.83
  text "PIXEL DETAIL" at -1202.49,-226.158 h2.04
  text "G" at -1202.49,-226.888 h2.33
  text "R" at -1202.49,-226.913 h2.33
  text "B" at -1202.49,-226.913 h2.33
  text "(SCALE:100:1)" at -1202.49,-227.738 h2.04
  text "7. \C6;LV:\fSimSun|b0|i0|c134|p2;620cd/m2(Min),650cd/m2 (Typ),680cd/m2(Max)" at -1202.49,-228.469 h4.08
  text "初版发行" at -1202.49,-229.067 h1.81
  text "A" at -1202.49,-229.155 h1.81
  text "A" at -1202.49,-229.155 h1.81
  text "WL" at -1202.49,-229.31 h1.81
  text "WL" at -1202.49,-229.31 h1.81
  text "深圳市华科能达科技有限公司" at -1202.49,-229.566 h5.2
  text "UNIT" at -1202.49,-230.35 h1.27
  text "UNIT" at -1202.49,-230.35 h1.27
  text "GENERAL TOL:" at -1202.49,-230.423 h1.27
  text "GENERAL TOL:" at -1202.49,-230.423 h1.27
  text "mm" at -1202.49,-231.878 h0.97
  text "mm" at -1202.49,-231.878 h0.97
  text "Shenzhen Huake Nengda Technology Co., Ltd}" at -1202.49,-232.049 h3.29
  text "8. 白色坐标：X0.30/Y0.315 +/-0.02" at -1202.49,-232.592 h4.08
  text "SCALE:" at -1202.49,-232.674 h1.27
  text "SCALE:" at -1202.49,-232.674 h1.27
  text "OF" at -1202.49,-232.846 h1.27
  text "OF" at -1202.49,-232.846 h1.27
  text "B" at -1202.49,-232.915 h1.81
  text "SHEET:" at -1202.49,-232.945 h1.27
  text "SHEET:" at -1202.49,-232.945 h1.27
  text "：" at -1202.49,-236.006 h2.57
  text "技术参数" at -1202.49,-236.328 h2.57
  text "MODEL NUMBER" at -1202.49,-236.437 h1.27
  text "PART NO:" at -1202.49,-236.437 h1.27
  text "PROJECTION" at -1202.49,-236.437 h1.27
  text "MODEL NUMBER" at -1202.49,-236.437 h1.27
  text "PART NO:" at -1202.49,-236.437 h1.27
  text "PROJECTION" at -1202.49,-236.437 h1.27
  text "DATE" at -1202.49,-236.551 h1.27
  text "DATE" at -1202.49,-236.551 h1.27
  text "APPROVALS" at -1202.49,-236.579 h1.27
  text "APPROVALS" at -1202.49,-236.579 h1.27
  text "B1" at -1202.49,-236.6 h1.81
  text "F}" at -1202.49,-239.062 h1.57
  text "F}" at -1202.49,-239.062 h1.57
  text "F}" at -1202.49,-239.062 h1.57
  text "APP:" at -1202.49,-239.902 h1.27
  text "APP:" at -1202.49,-239.902 h1.27
  text "深圳市华科能达科技有限公司" at -1202.49,-241.182 h3.85
  text "1.结构AM盖板，  LENS旭宏厚度1.8mm，2.5D效果，硬度6H" at -1202.49,-242.033 h2.57
  text "1.材质：进口石墨泡棉(单面带胶)" at -1202.49,-242.183 h2.36
  text "有害物质管理标准}" at -1202.49,-242.245 h3
  text "CHK:" at -1202.49,-242.699 h1.27
  text "CHK:" at -1202.49,-242.699 h1.27
  text "Scale" at -1202.49,-242.791 h2.83
  text "Unit" at -1202.49,-242.866 h2.83
  text "Sheet" at -1202.49,-242.961 h2.83
  text "SPECIFICATIONS:" at -1202.49,-242.959 h1.34
  text "Shenzhen Huake Nengda Technology Co., Ltd}" at -1202.49,-243.022 h2.43
  text "HK0J2071758B01-工程图-A0" at -1202.49,-243.378 h2.55
  text "工程图" at -1202.49,-244.076 h4.67
  text "工程图" at -1202.49,-244.076 h4.67
  text "1.DISPLAY TYPE: AMOLED" at -1202.49,-244.317 h1.34
  text "2.厚度：0.1+0.03胶=0.13mm+0.07(蓝色透明PET）" at -1202.49,-244.569 h2.36
  text "6" at -1202.49,-244.691 h5.75
  text "5" at -1202.49,-244.691 h5.75
  text "4" at -1202.49,-244.691 h5.75
  text "3" at -1202.49,-244.691 h5.75
  text "2" at -1202.49,-244.691 h5.75
  text "1" at -1202.49,-244.691 h5.75
  text "6" at -1202.49,-244.691 h5.75
  text "5" at -1202.49,-244.691 h5.75
  text "4" at -1202.49,-244.691 h5.75
  text "3" at -1202.49,-244.691 h5.75
  text "2" at -1202.49,-244.691 h5.75
  text "1" at -1202.49,-244.691 h5.75
  text "DO NOT SCALE" at -1202.49,-245.256 h0.85
  text "DO NOT SCALE" at -1202.49,-245.256 h0.85
  text "DWN:" at -1202.49,-245.502 h1.27
  text "DWN:" at -1202.49,-245.502 h1.27
  text "2.OPERATING TEMP: -20C~70C;STORAGE TEMP: -30C~80C" at -1202.49,-245.674 h1.34
  text "2.透光率：≥85％（550nm）;" at -1202.49,-246.72 h2.57
  text "\fArial|b0|i0|c238|p34;\C4;3\fSimHei|b0|i0|c134|p2;、边缘不能有残胶。" at -1202.49,-246.955 h2.36
  text "3.MAIN LCD & DRIVER IC:\C1;ILI8688FN3AL1+SGM38042B+FT6146M00" at -1202.49,-247.032 h1.34
  text "7" at -1202.49,-248.344 h5.17
  text "\C3;4.OPTIMUM VIEWING ANGLE:\C12;ALL" at -1202.49,-248.389 h1.34
  text "PRO(3)" at -1202.49,-248.723 h2.83
  text "4、符合\"ROSH\"标准" at -1202.49,-249.341 h2.36
  text "7" at -1202.49,-249.358 h5.17
  text "mm" at -1202.49,-249.637 h2.83
  text "欧盟RoHS环保指令}" at -1202.49,-249.671 h2.25
  text "\C3;5.LUMINANCE= --\C12; \C3;cd/cm²(MIN),--\fSimSun|b0|i0|c0|p2;cd/\fSimSun|b0|i0|c134|p2;cm²(\fSimSun|b0|i0|c0|p2;TYP\fSimSun|b0|i0|c134|p2;)" at -1202.49,-249.746 h1.34
  text "1" at -1202.49,-249.822 h2.83
  text ":" at -1202.49,-249.822 h2.83
  text "1" at -1202.49,-249.822 h2.83
  text "1/1" at -1202.49,-249.891 h2.83
  text "Customer NO:" at -1202.49,-249.973 h2.83
  text "Scale" at -1202.49,-250.979 h2.1
  text "Unit" at -1202.49,-251.034 h2.1
  text "Sheet" at -1202.49,-251.105 h2.1
  text "6.GENERAL TOLERANCE:±0.2" at -1202.49,-251.104 h1.34
  text "HK-GB25013B01-LENS图-A0" at -1202.49,-251.414 h1.89
  text "3.工作环境：-20℃~+70℃，≤90RH" at -1202.49,-251.451 h2.57
  text "7.MARK\"*\"IS THE IMPORTANT DIMENSION,MARK\"△\"IS THE CHANGEABLE DIMENSION\C3;\c130561;" at -1202.49,-252.461 h1.34
  text "深圳市华科能达科技有限公司" at -1202.49,-253.31 h2.14
  text "8.\C3;ROHS COMPLIANCY" at -1202.49,-253.819 h1.34
  text "Shenzhen Huake Nengda Technology Co., Ltd}" at -1202.49,-254.331 h1.35
  text "7" at -1202.49,-255.092 h3.83
  text "11.客户机壳上的泡棉需进入玻璃单边0.3MM (MIN),防止漏光." at -1202.49,-255.176 h1.34
  text "欧盟RoHS环保指令+无卤素要求}" at -1202.49,-255.243 h2.25
  text "PRO(3)" at -1202.49,-255.372 h2.1
  text "7" at -1202.49,-255.843 h3.83
  text "mm" at -1202.49,-256.05 h2.1
  text "4.储存环境：-30℃~+80℃，≤90RH" at -1202.49,-256.168 h2.57
  text "1" at -1202.49,-256.187 h2.1
  text ":" at -1202.49,-256.187 h2.1
  text "1" at -1202.49,-256.187 h2.1
  text "1/1" at -1202.49,-256.238 h2.1
  text "Customer NO:" at -1202.49,-256.299 h2.1
  text "\C3;\c130561;12.\C3;客户需保证触摸屏下表面到玻璃上表面最少0.3MM以上(非贴合)" at -1202.49,-256.534 h1.34
  text "DRAWN" at -1202.49,-256.814 h2.83
  text "Date" at -1202.49,-256.888 h2.83
  text "CHECKED" at -1202.49,-256.934 h2.83
  text "APPROVED" at -1202.49,-257.121 h2.83
  text "HK207175801-背贴泡棉-A0}" at -1202.49,-257.174 h0.88
  text "G}" at -1202.49,-257.948 h1.57
  text "G}" at -1202.49,-257.948 h1.57
  text "Scale" at -1202.49,-258.109 h1.04
  text "Unit" at -1202.49,-258.137 h1.04
  text "Sheet" at -1202.49,-258.172 h1.04
  text "PRO(3)" at -1202.49,-260.29 h1.04
  text "mm" at -1202.49,-260.627 h1.04
  text "1" at -1202.49,-260.695 h1.04
  text ":" at -1202.49,-260.695 h1.04
  text "1" at -1202.49,-260.695 h1.04
  text "1/1" at -1202.49,-260.72 h1.04
  text "Customer NO:" at -1202.49,-260.75 h1.04
  text "5.未注尺寸公差按±0.15mm；" at -1202.49,-260.885 h2.57
  text "2024-7-23" at -1202.49,-261.15 h2.83
  text "___________有害物质管理标准  第____版}" at -1202.49,-261.236 h2.25
  text "DRAWN" at -1202.49,-261.366 h2.1
  text "Date" at -1202.49,-261.421 h2.1
  text "CHECKED" at -1202.49,-261.455 h2.1
  text "APPROVED" at -1202.49,-261.594 h2.1
  text "DRAWN" at -1202.49,-263.266 h1.04
  text "Material" at -1202.49,-263.309 h1.04
  text "Date" at -1202.49,-263.293 h1.04
  text "CHECKED" at -1202.49,-263.31 h1.04
  text "APPROVED" at -1202.49,-263.379 h1.04
  text "2024-7-23" at -1202.49,-264.578 h2.1
  text "6.产品符合RoHS指令；" at -1202.49,-265.616 h2.57
  text "2024-07-23" at -1202.49,-265.888 h1.1
  text "PCT" at -1202.49,-266.495 h2.1
  text "10" at -1202.49,-268.929 h1.57
  text "9" at -1202.49,-268.929 h1.57
  text "8" at -1202.49,-268.929 h1.57
  text "7" at -1202.49,-268.929 h1.57
  text "6" at -1202.49,-268.929 h1.57
  text "5" at -1202.49,-268.929 h1.57
  text "4" at -1202.49,-268.929 h1.57
  text "3" at -1202.49,-268.929 h1.57
  text "2" at -1202.49,-268.929 h1.57
  text "1" at -1202.49,-268.929 h1.57
  text "B" at -1202.49,-271.496 h4.25
  text "H" at -1202.49,-271.711 h4.25
  text "I" at -1202.49,-271.711 h4.25
  text "A" at -1202.49,-271.808 h4.25
  text "C" at -1202.49,-271.865 h4.25
  text "F" at -1202.49,-271.876 h4.25
  text "E" at -1202.49,-271.872 h4.25
  text "G" at -1202.49,-271.968 h4.25
  text "D" at -1202.49,-271.96 h4.25
  text "B" at -1202.49,-272.242 h3.15
  text "H" at -1202.49,-272.401 h3.15
  text "I" at -1202.49,-272.401 h3.15
  text "A" at -1202.49,-272.472 h3.15
  text "F" at -1202.49,-272.523 h3.15
  text "E" at -1202.49,-272.52 h3.15
  text "C" at -1202.49,-272.515 h3.15
  text "G" at -1202.49,-272.591 h3.15
  text "D" at -1202.49,-272.586 h3.15
  text "1" at -1202.49,-274.516 h1.6
  text "GND" at -1202.49,-276.248 h1.6
  text "2" at -1202.49,-277.704 h1.6
  text "TP-VDD3.3V" at -1202.49,-279.437 h1.6
  text "C" at -1202.49,-280.132 h5.75
  text "C" at -1202.49,-280.132 h5.75
  text "C" at -1202.49,-280.132 h5.75
  text "C" at -1202.49,-280.132 h5.75
  text "3" at -1202.49,-280.893 h1.6
  text "TP-INT" at -1202.49,-282.625 h1.6
  text "正视图}" at -1202.49,-283.072 h6
  text "侧视图}" at -1202.49,-283.616 h6
  text "4" at -1202.49,-284.081 h1.6
  text "背视图}" at -1202.49,-284.559 h6
  text "TP-SDA" at -1202.49,-285.814 h1.6
  text "5" at -1202.49,-287.27 h1.6
  text "TP-SCL" at -1202.49,-289.003 h1.6
  text "6" at -1202.49,-290.459 h1.6
  text "TP-RESET" at -1202.49,-292.191 h1.6
  text "7" at -1202.49,-293.647 h1.6
  text "GND" at -1202.49,-295.38 h1.6
  text "8" at -1202.49,-296.836 h1.6
  text "RESET" at -1202.49,-298.569 h1.6
  text "9" at -1202.49,-300.025 h1.6
  text "CS" at -1202.49,-301.757 h1.6
  text "10" at -1202.49,-303.213 h1.6
  text "TE" at -1202.49,-304.946 h1.6
  text "11" at -1202.49,-306.402 h1.6
  text "QSPI_SI00" at -1202.49,-308.134 h1.6
  text "12" at -1202.49,-309.591 h1.6
  text "QSPI_SI01" at -1202.49,-311.323 h1.6
  text "1.80" at -1202.49,-312.375 h1.5
  text "37.390.1" at -1202.49,-312.375 h1.5
  text "13" at -1202.49,-314.374 h1.6
  text "QSPI_SI02" at -1202.49,-314.512 h1.6
  text "8.40.5" at -1202.49,-315.657 h2.1
  text "14" at -1202.49,-317.562 h1.6
  text "QSPI_SI03" at -1202.49,-317.7 h1.6
  text "0.45" at -1202.49,-317.989 h1.5
  text "34.390.05" at -1202.49,-317.989 h1.5
  text "15" at -1202.49,-320.751 h1.6
  text "QSPI_LSCK" at -1202.49,-320.889 h1.6
  text "FPC+PI补强T=0.2mm}" at -1202.49,-320.991 h1.5
  text "6.60" at -1202.49,-322.252 h0.8
  text "16" at -1202.49,-323.94 h1.6
  text "VDD3.3V" at -1202.49,-324.078 h1.6
  text "1}" at -1202.49,-326.201 h0.5
  text "17" at -1202.49,-327.128 h1.6
  text "VIO3.3V" at -1202.49,-327.266 h1.6
  text "21}" at -1202.49,-328.086 h0.5
  text "1}" at -1202.49,-328.081 h0.5
  text "21}" at -1202.49,-328.086 h0.5
  text "1}" at -1202.49,-328.081 h0.5
  text "6}" at -1202.49,-328.682 h0.5
  text "白色丝印对位线}" at -1202.49,-330.33 h1.5
  text "18" at -1202.49,-330.317 h1.6
  text "VCI_EN" at -1202.49,-330.455 h1.6
  text "19" at -1202.49,-333.506 h1.6
  text "NC" at -1202.49,-333.644 h1.6
  text "480}" at -1202.49,-334.568 h1.5
  text "20" at -1202.49,-336.694 h1.6
  text "VBAT" at -1202.49,-336.832 h1.6
  text "21" at -1202.49,-339.883 h1.6
  text "GND" at -1202.49,-340.021 h1.6
  text "1.50" at -1202.49,-345.701 h1.5
  text "（双面胶+钢片+FPC+连接器）" at -1202.49,-354.082 h1.2
  text "限高1.2max}" at -1202.49,-355.294 h1.2
  text "\LTP PIN DESCRIPTION}" at -1202.49,-382.728 h2
  text "D" at -1202.49,-385.132 h5.75
  text "D" at -1202.49,-385.132 h5.75
  text "D" at -1202.49,-385.132 h5.75
  text "D" at -1202.49,-385.132 h5.75
  text "TP" at -1202.49,-389.467 h2.62
  text "SYMBOL" at -1202.49,-389.721 h2.62
  text "TP_VDD" at -1202.49,-391.18 h2.02
  text "1" at -1202.49,-393.383 h2.62
  text "TP_RST}" at -1202.49,-394.757 h2.02
  text "2" at -1202.49,-397.072 h2.62
  text "TP_SCL}" at -1202.49,-398.573 h2.02
  text "3" at -1202.49,-400.746 h2.62
  text "TP_SDA}" at -1202.49,-401.955 h2.02
  text "4" at -1202.49,-404.42 h2.62
  text "TP_INT}" at -1202.49,-405.759 h2.02
  text "5" at -1202.49,-408.094 h2.62
  text "TP_GND" at -1202.49,-409.345 h2.02
  text "6" at -1202.49,-411.768 h2.62
  text "A" at -1202.49,-414.561 h1.48
  text "B1" at -1202.49,-414.561 h1.48
  text "修    改    内    容" at -1202.49,-414.704 h1.81
  text "修    改    内    容" at -1202.49,-414.704 h1.81
  text "标记" at -1202.49,-414.792 h1.81
  text "标记" at -1202.49,-414.792 h1.81
  text "REV 版本" at -1202.49,-414.806 h1.48
  text "REV 版本" at -1202.49,-414.806 h1.48
  text "修改者" at -1202.49,-414.947 h1.81
  text "修改者" at -1202.49,-414.947 h1.81
  text "修改日期" at -1202.49,-415.024 h1.81
  text "修改日期" at -1202.49,-415.024 h1.81
  text "初版发行" at -1202.49,-418.464 h1.81
  text "A" at -1202.49,-418.552 h1.81
  text "A" at -1202.49,-418.552 h1.81
  text "WL" at -1202.49,-418.707 h1.81
  text "WL" at -1202.49,-418.707 h1.81
  text "UNIT" at -1202.49,-419.747 h1.27
  text "UNIT" at -1202.49,-419.747 h1.27
  text "GENERAL TOL:" at -1202.49,-419.82 h1.27
  text "GENERAL TOL:" at -1202.49,-419.82 h1.27
  text "mm" at -1202.49,-421.275 h0.97
  text "mm" at -1202.49,-421.275 h0.97
  text "SCALE:" at -1202.49,-422.071 h1.27
  text "SCALE:" at -1202.49,-422.071 h1.27
  text "OF" at -1202.49,-422.243 h1.27
  text "OF" at -1202.49,-422.243 h1.27
  text "B" at -1202.49,-422.312 h1.81
  text "SHEET:" at -1202.49,-422.342 h1.27
  text "SHEET:" at -1202.49,-422.342 h1.27
  text "MODEL NUMBER" at -1202.49,-425.834 h1.27
  text "PART NO:" at -1202.49,-425.834 h1.27
  text "PROJECTION" at -1202.49,-425.834 h1.27
  text "MODEL NUMBER" at -1202.49,-425.834 h1.27
  text "PART NO:" at -1202.49,-425.834 h1.27
  text "PROJECTION" at -1202.49,-425.834 h1.27
  text "DATE" at -1202.49,-425.948 h1.27
  text "DATE" at -1202.49,-425.948 h1.27
  text "APPROVALS" at -1202.49,-425.976 h1.27
  text "APPROVALS" at -1202.49,-425.976 h1.27
  text "B1" at -1202.49,-425.997 h1.81
  text "APP:" at -1202.49,-429.299 h1.27
  text "APP:" at -1202.49,-429.299 h1.27
  text "CHK:" at -1202.49,-432.096 h1.27
  text "CHK:" at -1202.49,-432.096 h1.27
  text "SPECIFICATIONS:" at -1202.49,-432.356 h1.34
  text "工程图" at -1202.49,-433.473 h4.67
  text "工程图" at -1202.49,-433.473 h4.67
  text "1.DISPLAY TYPE: AMOLED" at -1202.49,-433.714 h1.34
  text "6" at -1202.49,-434.088 h5.75
  text "5" at -1202.49,-434.088 h5.75
  text "4" at -1202.49,-434.088 h5.75
  text "3" at -1202.49,-434.088 h5.75
  text "2" at -1202.49,-434.088 h5.75
  text "1" at -1202.49,-434.088 h5.75
  text "6" at -1202.49,-434.088 h5.75
  text "5" at -1202.49,-434.088 h5.75
  text "4" at -1202.49,-434.088 h5.75
  text "3" at -1202.49,-434.088 h5.75
  text "2" at -1202.49,-434.088 h5.75
  text "1" at -1202.49,-434.088 h5.75
  text "DO NOT SCALE" at -1202.49,-434.653 h0.85
  text "DO NOT SCALE" at -1202.49,-434.653 h0.85
  text "DWN:" at -1202.49,-434.899 h1.27
  text "DWN:" at -1202.49,-434.899 h1.27
  text "2.OPERATING TEMP: -20C~70C;STORAGE TEMP: -30C~80C" at -1202.49,-435.071 h1.34
  text "3.MAIN LCD & DRIVER IC:\C1;ILI8688FN3AL1+SGM38042B+FT6146M00" at -1202.49,-436.429 h1.34
  text "\C3;4.OPTIMUM VIEWING ANGLE:\C12;ALL" at -1202.49,-437.786 h1.34
  text "\C3;5.LUMINANCE= --\C12; \C3;cd/cm²(MIN),--\fSimSun|b0|i0|c0|p2;cd/\fSimSun|b0|i0|c134|p2;cm²(\fSimSun|b0|i0|c0|p2;TYP\fSimSun|b0|i0|c134|p2;)" at -1202.49,-439.144 h1.34
  text "6.GENERAL TOLERANCE:±0.2" at -1202.49,-440.501 h1.34
  text "7.MARK\"*\"IS THE IMPORTANT DIMENSION,MARK\"△\"IS THE CHANGEABLE DIMENSION\C3;\c130561;" at -1202.49,-441.858 h1.34
  text "8.\C3;ROHS COMPLIANCY" at -1202.49,-443.216 h1.34
  text "11.客户机壳上的泡棉需进入玻璃单边0.3MM (MIN),防止漏光." at -1202.49,-444.573 h1.34
  text "\C3;\c130561;12.\C3;客户需保证触摸屏下表面到玻璃上表面最少0.3MM以上(非贴合)" at -1202.49,-445.931 h1.34
  text "42.090.15(Foam)" at -1322.589,-5639.921 h1 r90